# Altium PCB EPS.PcbDoc (part 1 of 10) (continued)
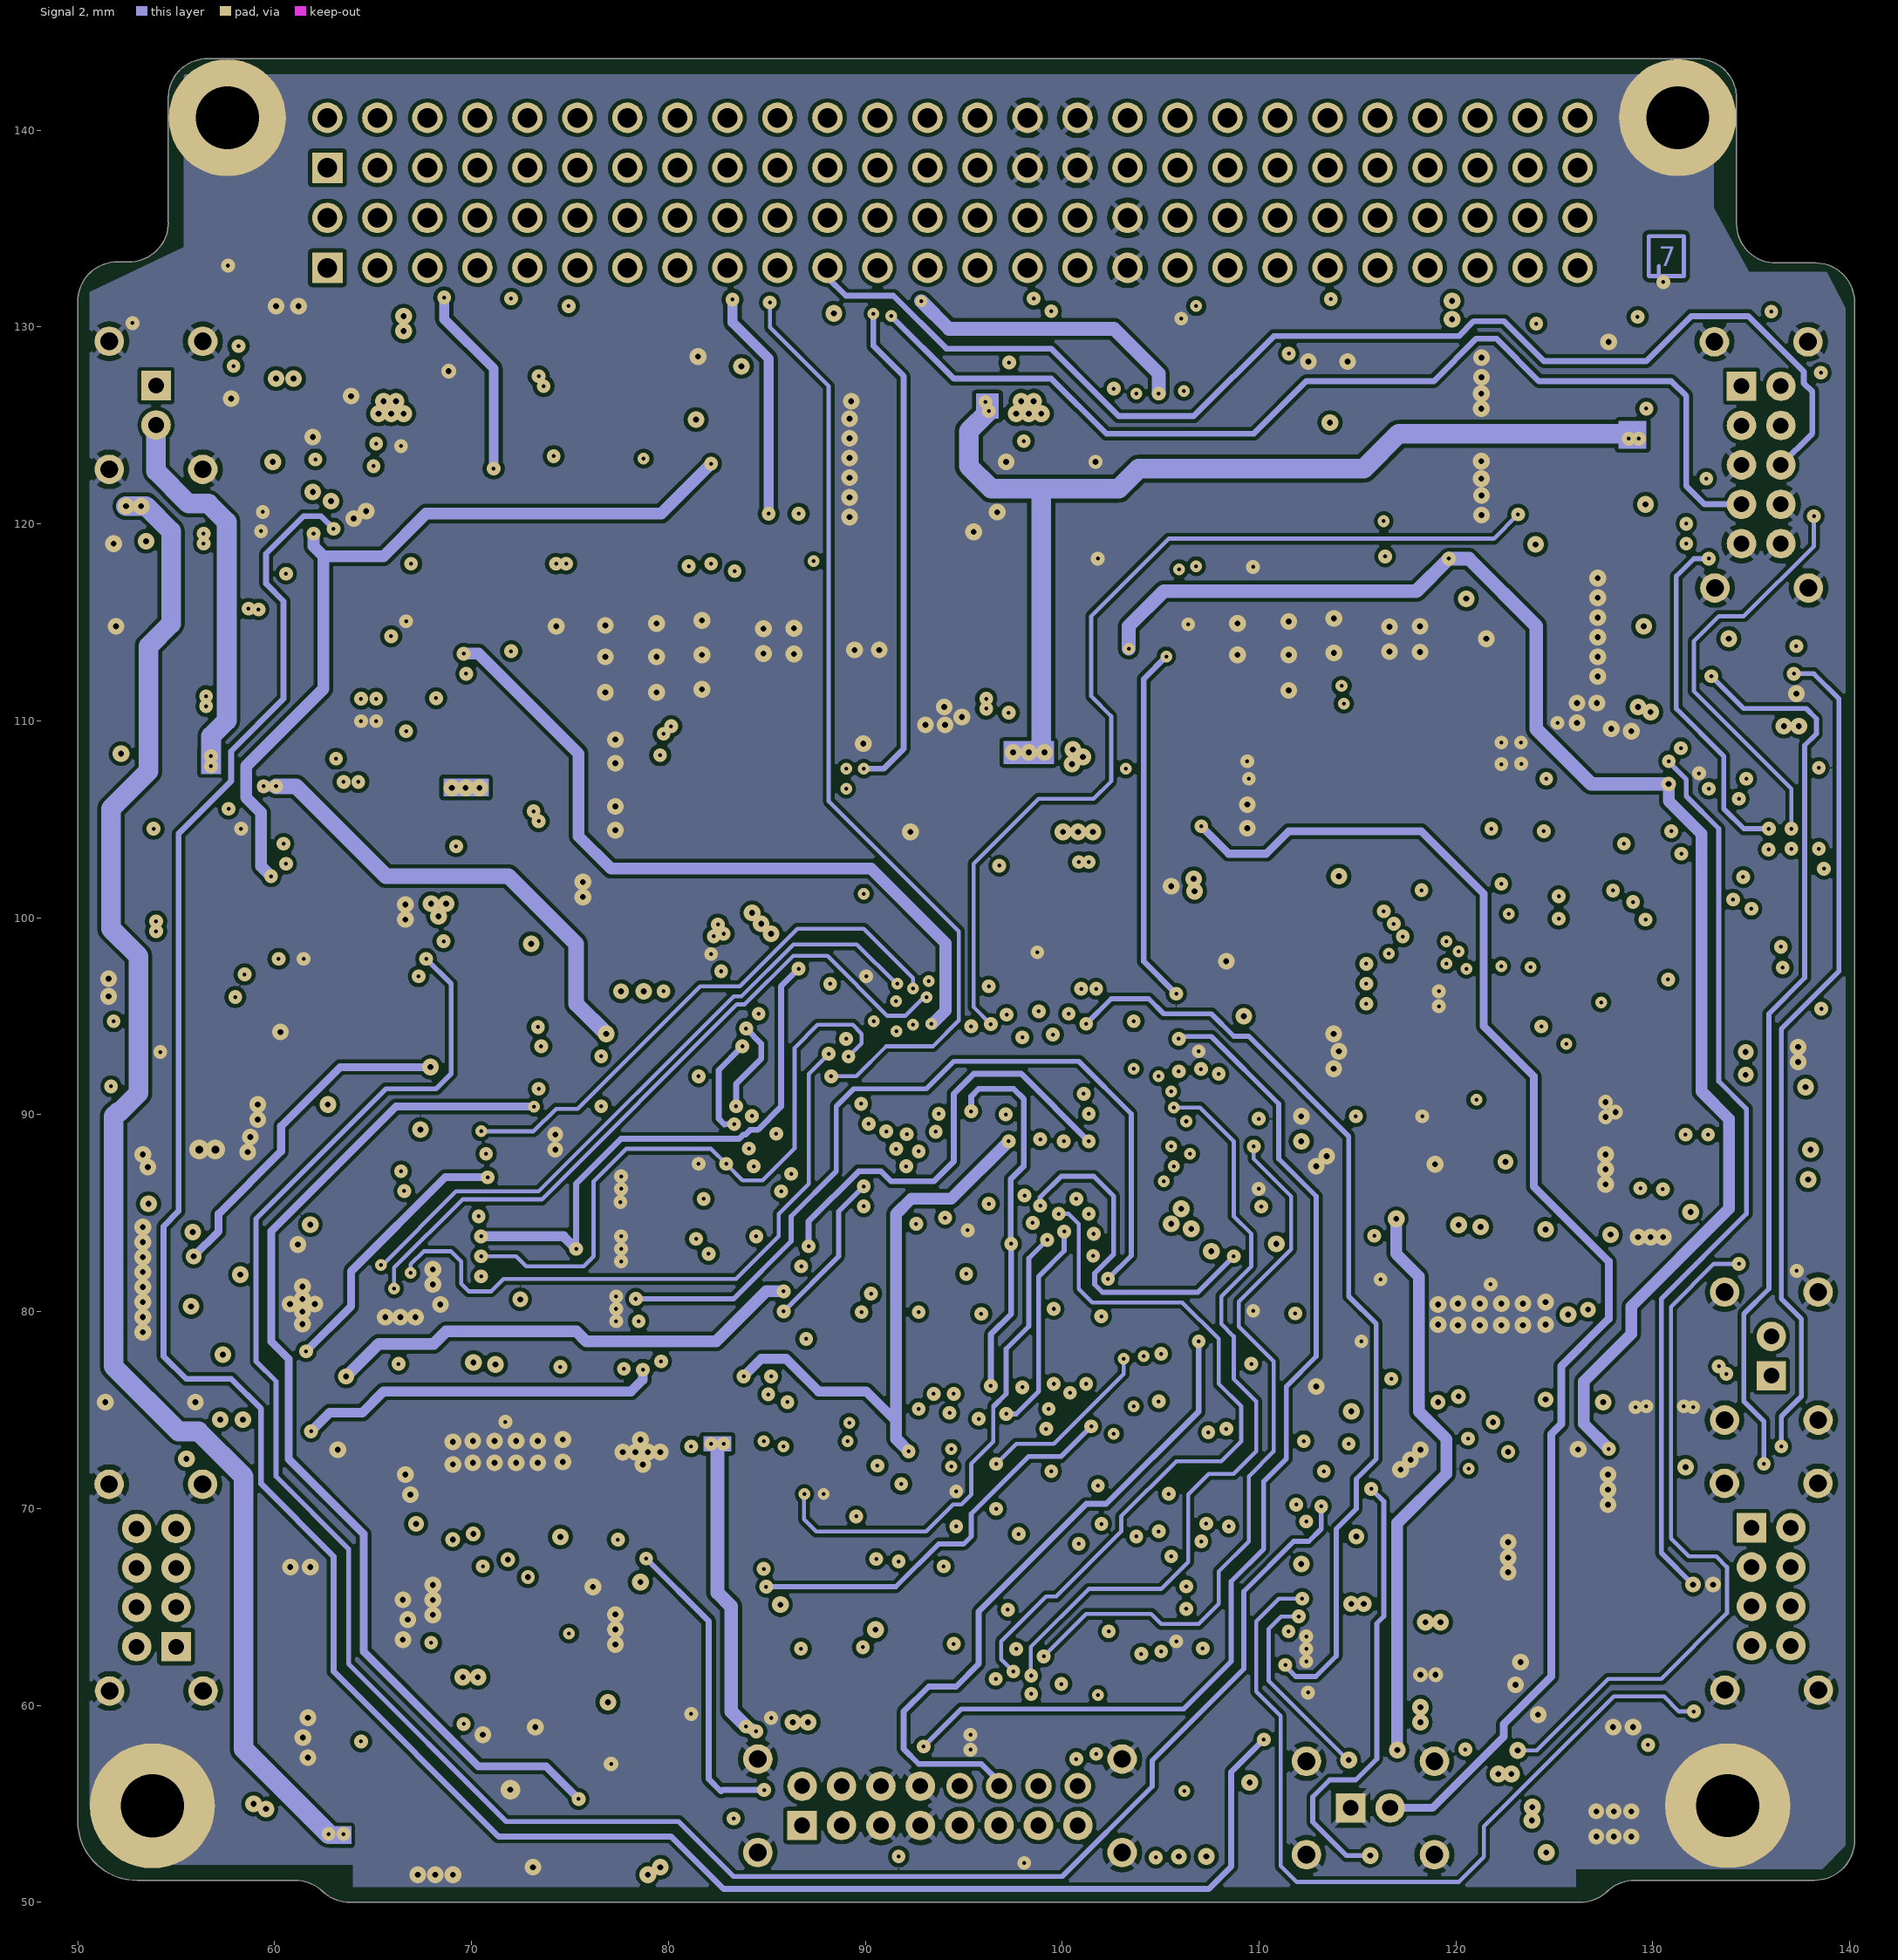
[diagram p7: Signal 2]
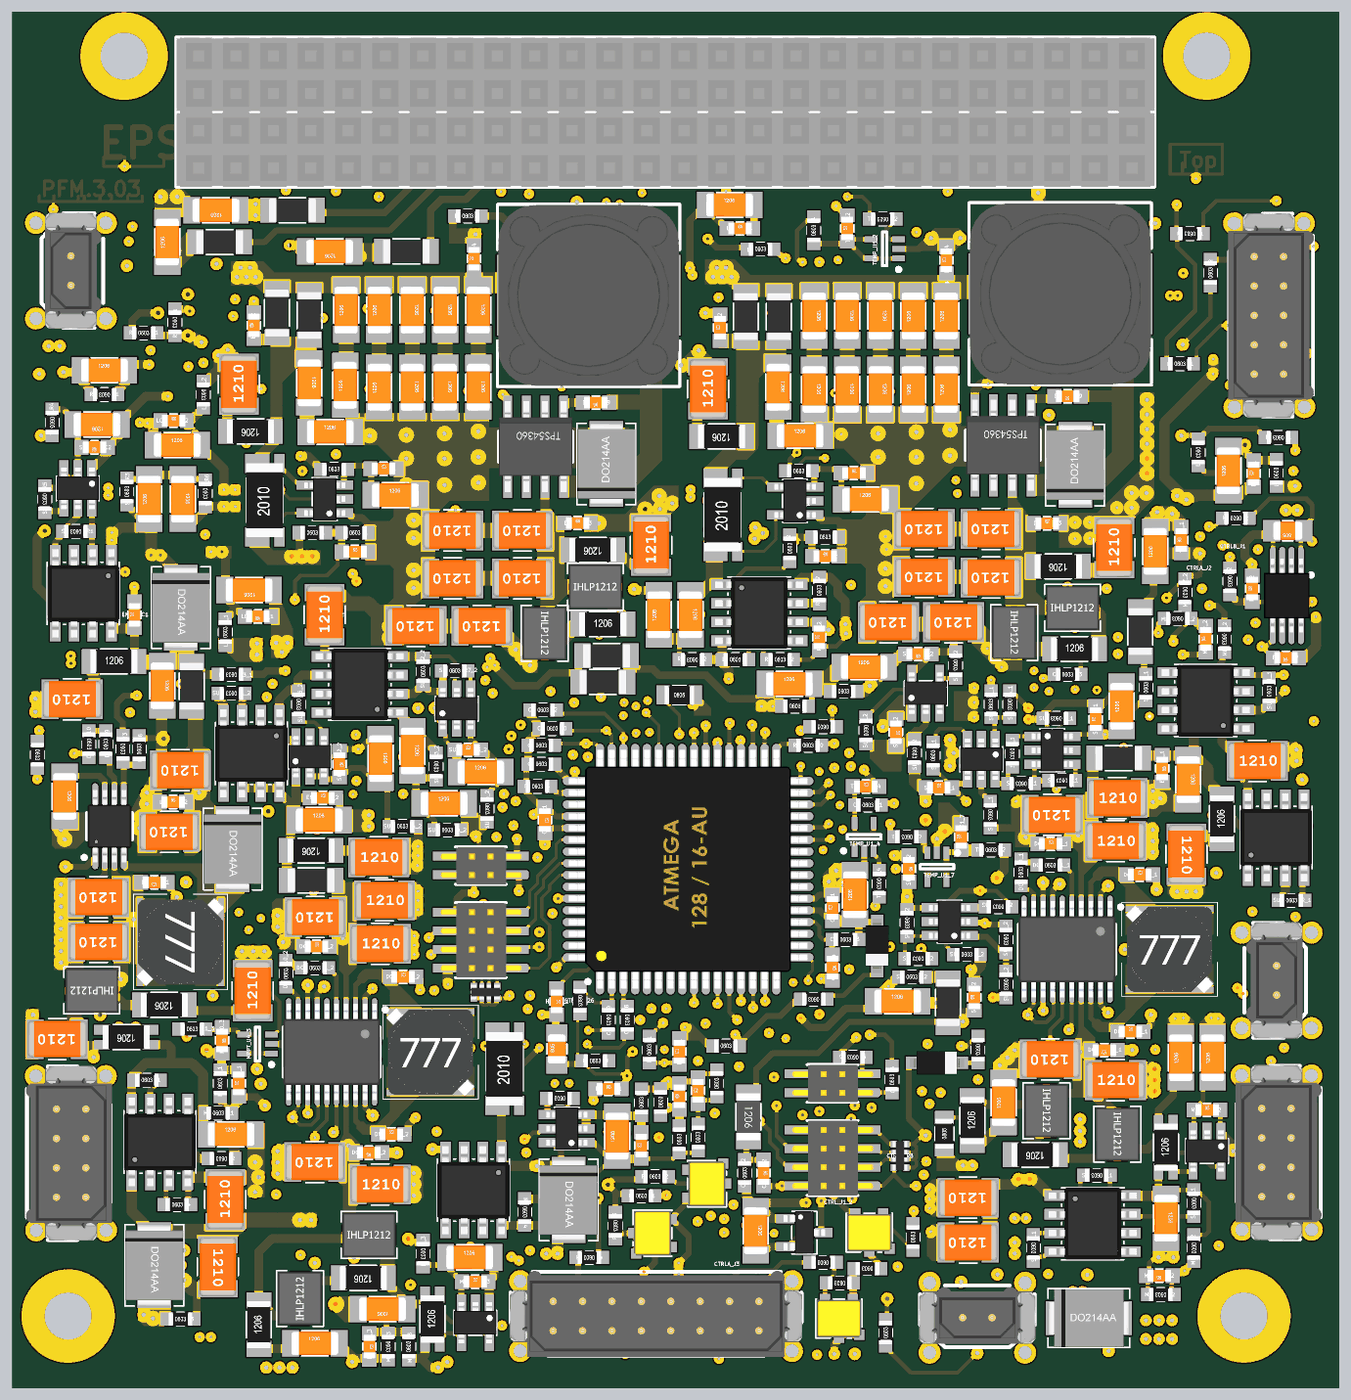
[diagram p17: 3D render of the assembled board from above, using the file's embedded part models]
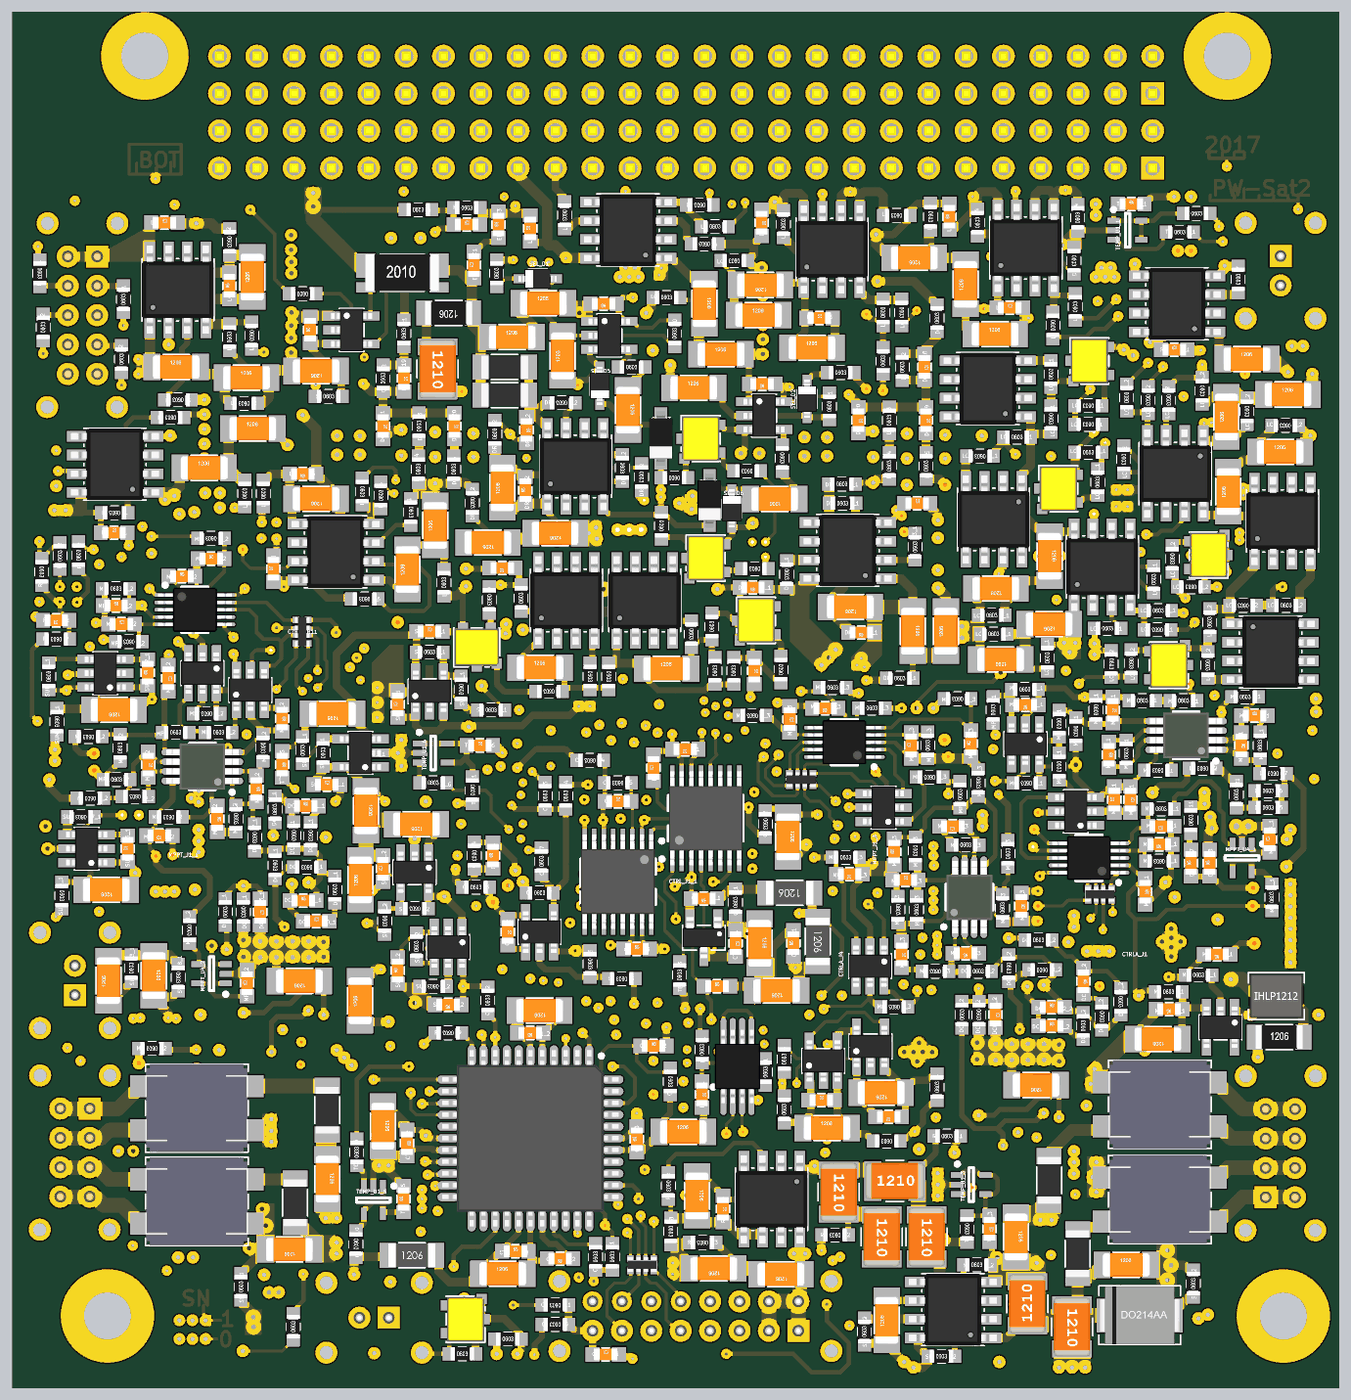
[diagram p18: 3D render of the assembled board from below, using the file's embedded part models]

## Layer stack, top to bottom
Top Layer: signal copper 0.018
Dielectric 1: core 0.254, FR-4, Dk 4.2
PGND: signal copper 0.035
Dielectric 2: prepreg 0.197, FR-4, Dk 4.2
Power: signal copper 0.035
Dielectric 6: core 0.178, Dk 4.2
Control Signals 1: signal copper 0.036
Dielectric 7: prepreg 0.197, Dk 4.2
Control Signals 2: signal copper 0.036
Dielectric 4: core 0.178, Dk 4.2
Signal 1: signal copper 0.036
Dielectric 5: prepreg 0.197, Dk 4.2
Signal 2: signal copper 0.036
Dielectric 3: core 0.186, FR-4, Dk 4.2
Bottom Layer: signal copper 0.018

## Board outline
53.018,51.11 cw(c53.018,54.128) 50,54.128 50,131.31 cw(c52,131.31) 52,133.31 52.6,133.31 ccw(c52.6,135.31) 54.6,135.311 54.595,135.311 54.594,141.542 54.594,141.635 cw(c56.594,141.636) 56.594,143.636 132.249,143.636 132.249,143.631 cw(c132.249,141.631) 134.249,141.631 134.249,141.567 134.249,135.255 ccw(c136.249,135.255) 136.249,133.255 138.249,133.255 cw(c138.249,131.255) 140.249,131.255 140.249,53.157 cw(c138.209,53.157) 138.209,51.117 138.037,51.113 129.072,51.114 ccw(c129.071,49.114) 127.686,50.556 cw(c126.3,51.998) 126.3,49.998 63.815,50 cw(c63.815,52) 62.432,50.555 ccw(c61.05,49.11) 61.05,51.11

## Design rules (kind name [scope] priority, off if disabled: settings)
Clearance [All] p1: gap=0.2 ignorepadtopadclearanceinfootprint=TRUE except(0: Arc-Text Arc-Hole Track-Text Track-Hole SMDPad-Text SMDPad-Hole THPad-Text THPad-Hole Via-Text Via-Hole Fill-Text Fill-Hole Poly-Text Poly-Hole Region-Text Region-Hole Text-Text Text-Hole)
ComponentClearance [All] p1: gap=0.01 collisioncheckmode=3 verticalgap=0.254 showdistances=FALSE
HoleSize [All] p1: absolutevalues=TRUE maxlimit=3.5 minlimit=0.199 maxpercent=80.000 minpercent=20.000
MinimumAnnularRing [All] p1: minimumring=0.199
MinimumSolderMaskSliver [All] p1 off: minsoldermaskwidth=0.254
PasteMaskExpansion [All] p1 off: expansion=0
PolygonConnect PolygonConnect_PGND [IsVia AND InNet('PGND')] p1: connectstyle=Direct reliefconductorwidth=0.254 reliefentries=4 polygonreliefangle="90 Angle" airgapwidth=0.254
PolygonConnect PolygonConnect_AGND [IsVia AND InNet('AGND')] p2: connectstyle=Direct reliefconductorwidth=0.254 reliefentries=4 polygonreliefangle="90 Angle" airgapwidth=0.254
PolygonConnect PolygonConnect_DGND [IsVia AND InNet('DGND')] p3: connectstyle=Direct reliefconductorwidth=0.254 reliefentries=4 polygonreliefangle="90 Angle" airgapwidth=0.254
PolygonConnect PolygonConnect_MNT [InComponent('MNT1') OR InComponent('MNT2') OR InComponent('MNT3') OR InComponent('MNT4')] p4: connectstyle=Direct reliefconductorwidth=0.254 reliefentries=4 polygonreliefangle="90 Angle" airgapwidth=0.254
PolygonConnect [All] p5: connectstyle=Relief reliefconductorwidth=0.254 reliefentries=4 polygonreliefangle="45 Angle" airgapwidth=0.254
RoomDefinition "MPPT Y-2_MPPTY Solar Panels ORing2" [InComponentClass('MPPT Y-2_MPPTY Solar Panels ORing2')] p1: confinementstyle=ConfineIn formatcopy=TRUE lockcomponents=FALSE outline 58.471,50.394 94.818,50.394 94.818,62.382 58.471,62.382
RoomDefinition "MPPT Y-2_MPPTY Interface to uC3" [InComponentClass('MPPT Y-2_MPPTY Interface to uC3')] p2: confinementstyle=ConfineIn formatcopy=TRUE lockcomponents=FALSE outline 67.335,69.418 103.604,69.418 103.604,104.356 67.335,104.356
RoomDefinition "MPPT Y+1_MPPTY Measurements2" [InComponentClass('MPPT Y+1_MPPTY Measurements2')] p3: confinementstyle=ConfineIn formatcopy=TRUE lockcomponents=FALSE outline 120.218,56.794 137.998,56.794 137.998,76.632 120.218,76.632
RoomDefinition "MPPT Y+1_MPPTY Interface to uC2" [InComponentClass('MPPT Y+1_MPPTY Interface to uC2')] p4: confinementstyle=ConfineIn formatcopy=TRUE lockcomponents=FALSE outline 109.906,73.965 139.852,73.965 139.852,110.312 109.906,110.312
RoomDefinition "MPPT Y-2_MPPTY Output EMI Filter2" [InComponentClass('MPPT Y-2_MPPTY Output EMI Filter2')] p5: confinementstyle=ConfineIn formatcopy=TRUE lockcomponents=FALSE outline 58.471,71.272 83.033,71.272 83.033,93.574 58.471,93.574
RoomDefinition "MPPT Y-2_MPPTY ORing to MPB2" [InComponentClass('MPPT Y-2_MPPTY ORing to MPB2')] p6: confinementstyle=ConfineIn formatcopy=TRUE lockcomponents=FALSE outline 61.138,85.115 89.23,85.115 89.23,110.719 61.138,110.719
RoomDefinition "MPPT Y-2_MPPTY Measurements3" [InComponentClass('MPPT Y-2_MPPTY Measurements3')] p7: confinementstyle=ConfineIn formatcopy=TRUE lockcomponents=FALSE outline 63.83,50.394 88.621,50.394 88.621,63.424 63.83,63.424
RoomDefinition "MPPT Y-2_MPPTY Input EMI Filter2" [InComponentClass('MPPT Y-2_MPPTY Input EMI Filter2')] p8: confinementstyle=ConfineIn formatcopy=TRUE lockcomponents=FALSE outline 57.633,50.622 85.928,50.622 85.928,64.872 57.633,64.872
RoomDefinition "MPPT Y-2_MPPTY Buck-Boost Converter2" [InComponentClass('MPPT Y-2_MPPTY Buck-Boost Converter2')] p9: confinementstyle=ConfineIn formatcopy=TRUE lockcomponents=FALSE outline 62.382,60.325 90.475,60.325 90.475,95.225 62.382,95.225
RoomDefinition "MPPT Y+1_MPPTY Solar Panels ORing1" [InComponentClass('MPPT Y+1_MPPTY Solar Panels ORing1')] p10: confinementstyle=ConfineIn formatcopy=TRUE lockcomponents=FALSE outline 112.37,51.638 133.248,51.638 133.248,72.517 112.37,72.517
RoomDefinition "MPPT Y+1_MPPTY Output EMI Filter1" [InComponentClass('MPPT Y+1_MPPTY Output EMI Filter1')] p11: confinementstyle=ConfineIn formatcopy=TRUE lockcomponents=FALSE outline 129.108,72.923 139.217,72.923 139.217,98.527 129.108,98.527
RoomDefinition "MPPT Y+1_MPPTY ORing to MPB1" [InComponentClass('MPPT Y+1_MPPTY ORing to MPB1')] p12: confinementstyle=ConfineIn formatcopy=TRUE lockcomponents=FALSE outline 121.463,77.47 139.446,77.47 139.446,102.464 121.463,102.464
RoomDefinition "MPPT Y+1_MPPTY Buck-Boost Converter1" [InComponentClass('MPPT Y+1_MPPTY Buck-Boost Converter1')] p13: confinementstyle=ConfineIn formatcopy=TRUE lockcomponents=FALSE outline 110.807,65.558 133.209,65.558 133.209,92.672 110.807,92.672
RoomDefinition CTRL-B_Supply [InComponentClass('CTRL-B_Supply')] p14: confinementstyle=ConfineIn formatcopy=TRUE lockcomponents=FALSE outline 94.59,55.829 121.082,55.829 121.082,77.394 94.59,77.394
RoomDefinition 5V [InComponentClass('5V')] p15: confinementstyle=ConfineIn formatcopy=TRUE lockcomponents=FALSE outline 89.002,94.209 138.938,94.209 138.938,132.969 89.002,132.969
RoomDefinition 3V3 [InComponentClass('3V3')] p16: confinementstyle=ConfineIn formatcopy=TRUE lockcomponents=FALSE outline 56.718,95.58 98.222,95.58 98.222,131.293 56.718,131.293
RoomDefinition Temperature-Sensor1 [InComponentClass('Temperature-Sensor1')] p17: confinementstyle=ConfineIn formatcopy=TRUE lockcomponents=FALSE outline 57.785,126.238 57.785,130.556 66.675,130.556 66.675,126.238
RoomDefinition Temperature-Sensor5 [InComponentClass('Temperature-Sensor5')] p18: confinementstyle=ConfineIn formatcopy=TRUE lockcomponents=FALSE outline 113.157,57.531 117.602,57.531 117.602,67.818 113.157,67.818
RoomDefinition "Local-Supply CTRL-A" [InComponentClass('Local-Supply CTRL-A')] p19: confinementstyle=ConfineIn formatcopy=TRUE lockcomponents=FALSE outline 133.731,86.614 106.807,86.614 106.807,108.458 133.731,108.458
RoomDefinition "RLCL-FPF 3V3" [InComponentClass('RLCL-FPF 3V3')] p20: confinementstyle=ConfineIn formatcopy=TRUE lockcomponents=FALSE outline 53.213,116.84 64.643,116.84 64.643,127 53.213,127
RoomDefinition "RLCL-FPF 5V" [InComponentClass('RLCL-FPF 5V')] p21: confinementstyle=ConfineIn formatcopy=TRUE lockcomponents=FALSE outline 107.188,105.791 107.188,98.679 92.71,98.679 92.71,105.791
RoomDefinition "Controller B" [InComponentClass('Controller B')] p22: confinementstyle=ConfineIn formatcopy=TRUE lockcomponents=FALSE outline 116.662,76.81 92.735,76.81 92.735,56.921 116.662,56.921
RoomDefinition Temperature-Sensor3 [InComponentClass('Temperature-Sensor3')] p23: confinementstyle=ConfineIn formatcopy=TRUE lockcomponents=FALSE outline 71.59,60.795 77.051,60.795 77.051,65.748 71.59,65.748
RoomDefinition "Battery Discharger - Ideal Diode" [InComponentClass('Battery Discharger - Ideal Diode')] p24: confinementstyle=ConfineIn formatcopy=TRUE lockcomponents=FALSE outline 78.321,70.574 78.321,59.182 95.212,59.182 95.212,70.574
RoomDefinition "Battery Charger - RLCL" [InComponentClass('Battery Charger - RLCL')] p25: confinementstyle=ConfineIn formatcopy=TRUE lockcomponents=FALSE outline 74.638,56.858 98.895,56.858 98.895,66.891 74.638,66.891
RoomDefinition "MPPTX Interface to uC" [InComponentClass('MPPTX Interface to uC')] p26: confinementstyle=ConfineIn formatcopy=TRUE lockcomponents=FALSE outline 51.524,98.387 74.511,98.387 74.511,79.718 51.524,79.718
RoomDefinition "MPPTX Input EMI Filter" [InComponentClass('MPPTX Input EMI Filter')] p27: confinementstyle=ConfineIn formatcopy=TRUE lockcomponents=FALSE outline 50.508,71.844 68.161,71.844 68.161,79.718 50.508,79.718
RoomDefinition "LCL-FPF ANTs 5V1" [InComponentClass('LCL-FPF ANTs 5V1')] p28: confinementstyle=ConfineIn formatcopy=TRUE lockcomponents=FALSE outline 136.995,108.674 121.374,108.674 121.374,116.548 136.995,116.548
RoomDefinition "LCL-FPF ANTs 5V2" [InComponentClass('LCL-FPF ANTs 5V2')] p29: confinementstyle=ConfineIn formatcopy=TRUE lockcomponents=FALSE outline 121.8,115.9 133.3,115.9 133.3,130.2 121.8,130.2
RoomDefinition Temperature-Sensor4 [InComponentClass('Temperature-Sensor4')] p30: confinementstyle=ConfineIn formatcopy=TRUE lockcomponents=FALSE outline 106.045,82.804 109.728,82.804 109.728,90.805 106.045,90.805
RoomDefinition Temperature-Sensor2 [InComponentClass('Temperature-Sensor2')] p31: confinementstyle=ConfineIn formatcopy=TRUE lockcomponents=FALSE outline 111.227,126.365 111.227,130.759 105.537,130.759 105.537,126.365
RoomDefinition "LCL-TK MAIN" [InComponentClass('LCL-TK MAIN')] p32: confinementstyle=ConfineIn formatcopy=TRUE lockcomponents=FALSE outline 62,98.4 77.8,98.4 77.8,121 62,121
RoomDefinition "LCL-FPF SunS 3V3" [InComponentClass('LCL-FPF SunS 3V3')] p33: confinementstyle=ConfineIn formatcopy=TRUE lockcomponents=FALSE outline 110.3,116.1 110.3,102.6 123.3,102.6 123.3,116.1
RoomDefinition CTRL-A_Supply [InComponentClass('CTRL-A_Supply')] p34: confinementstyle=ConfineIn formatcopy=TRUE lockcomponents=FALSE outline 83.693,76.581 109.601,76.581 109.601,90.805 83.693,90.805
RoomDefinition "RBL & Inrush Limit" [InComponentClass('RBL & Inrush Limit')] p35: confinementstyle=ConfineIn formatcopy=TRUE lockcomponents=FALSE outline 88.608,96.482 110.452,96.482 110.452,107.912 88.608,107.912
RoomDefinition "VBAT EMI Filter R" [InComponentClass('VBAT EMI Filter R')] p36: confinementstyle=ConfineIn formatcopy=TRUE lockcomponents=FALSE outline 96.8,110.8 112,110.8 112,124.6 96.8,124.6
RoomDefinition "VBAT RLCL" [InComponentClass('VBAT RLCL')] p37: confinementstyle=ConfineIn formatcopy=TRUE lockcomponents=FALSE outline 92.9,120.3 92.9,107.4 110.5,107.4 110.5,120.3
RoomDefinition "DCDC RLCL" [InComponentClass('DCDC RLCL')] p38: confinementstyle=ConfineIn formatcopy=TRUE lockcomponents=FALSE outline 90,111.3 75.5,111.3 75.5,99 90,99
RoomDefinition "5V Buck Converter" [InComponentClass('5V Buck Converter')] p39: confinementstyle=ConfineIn formatcopy=TRUE lockcomponents=FALSE outline 103.15,103.4 103.15,131.15 128.15,131.15 128.15,103.4
RoomDefinition "3V3 Buck Converter" [InComponentClass('3V3 Buck Converter')] p40: confinementstyle=ConfineIn formatcopy=TRUE lockcomponents=FALSE outline 71.2,103.1 71.2,131.1 95.95,131.1 95.95,103.1
RoomDefinition "3V3 Input EMI Fitler" [InComponentClass('3V3 Input EMI Fitler')] p41: confinementstyle=ConfineIn formatcopy=TRUE lockcomponents=FALSE outline 74.95,96.799 74.95,110.719 95.504,110.719 95.504,96.799
RoomDefinition "3V3 Output EMI Fitler" [InComponentClass('3V3 Output EMI Fitler')] p42: confinementstyle=ConfineIn formatcopy=TRUE lockcomponents=FALSE outline 63.373,109.95 63.373,126.213 75.1,126.213 75.1,109.95
RoomDefinition "5V Input EMI Fitler" [InComponentClass('5V Input EMI Fitler')] p43: confinementstyle=ConfineIn formatcopy=TRUE lockcomponents=FALSE outline 107.15,97.15 107.15,106.9 123.9,106.9 123.9,97.15
RoomDefinition "5V Output EMI Fitler" [InComponentClass('5V Output EMI Fitler')] p44: confinementstyle=ConfineIn formatcopy=TRUE lockcomponents=FALSE outline 106.9,109.9 106.9,125.65 95.479,125.65 95.479,109.9
RoomDefinition "LCLs for DCDC" [InComponentClass('LCLs for DCDC')] p45: confinementstyle=ConfineIn formatcopy=TRUE lockcomponents=FALSE outline 81,122.2 96.2,122.2 96.2,110.7 81,110.7
RoomDefinition "Local-Supply CTRL-B" [InComponentClass('Local-Supply CTRL-B')] p46: confinementstyle=ConfineIn formatcopy=TRUE lockcomponents=FALSE outline 119.634,73.914 107.188,73.914 107.188,101.346 119.634,101.346
RoomDefinition "LCL-TK Redundant" [InComponentClass('LCL-TK Redundant')] p47: confinementstyle=ConfineIn formatcopy=TRUE lockcomponents=FALSE outline 68.05,119.7 51.1,119.7 51.1,97.3 68.05,97.3
RoomDefinition "Battery Current Meas." [InComponentClass('Battery Current Meas.')] p48: confinementstyle=ConfineIn formatcopy=TRUE lockcomponents=FALSE outline 76.797,66.51 88.354,66.51 88.354,76.073 76.797,76.073
RoomDefinition "VBAT Measurements" [InComponentClass('VBAT Measurements')] p49: confinementstyle=ConfineIn formatcopy=TRUE lockcomponents=FALSE outline 100,116.4 122.1,116.4 122.1,127.8 100,127.8
RoomDefinition "LCL-FPF SENS 5V" [InComponentClass('LCL-FPF SENS 5V')] p50: confinementstyle=ConfineIn formatcopy=TRUE lockcomponents=FALSE outline 90.9,131.7 105,131.7 105,118.3 90.9,118.3
RoomDefinition "LCL-FPF CAMwing 3V3" [InComponentClass('LCL-FPF CAMwing 3V3')] p51: confinementstyle=ConfineIn formatcopy=TRUE lockcomponents=FALSE outline 81.4,120.6 81.4,131.8 66.9,131.8 66.9,120.6
RoomDefinition "LCL-FPF CAMnadir 3V3" [InComponentClass('LCL-FPF CAMnadir 3V3')] p52: confinementstyle=ConfineIn formatcopy=TRUE lockcomponents=FALSE outline 93.4,119.4 93.4,131.7 77.8,131.7 77.8,119.4
RoomDefinition "MPPT Y+1_MPPTY Input EMI Filter1" [InComponentClass('MPPT Y+1_MPPTY Input EMI Filter1')] p53: confinementstyle=ConfineIn formatcopy=TRUE lockcomponents=FALSE outline 67.399,62.192 67.399,84.809 82.385,84.809 82.385,62.192
RoomDefinition "MPPTX Solar Panels ORing" [InComponentClass('MPPTX Solar Panels ORing')] p54: confinementstyle=ConfineIn formatcopy=TRUE lockcomponents=FALSE outline 56.439,53.81 68.123,53.81 68.123,72.009 56.439,72.009
RoomDefinition "MPPTX Output EMI Filter" [InComponentClass('MPPTX Output EMI Filter')] p55: confinementstyle=ConfineIn formatcopy=TRUE lockcomponents=FALSE outline 51.778,95.212 63.843,95.212 63.843,104.419 51.778,104.419
RoomDefinition "MPPTX ORing to MPB" [InComponentClass('MPPTX ORing to MPB')] p56: confinementstyle=ConfineIn formatcopy=TRUE lockcomponents=FALSE outline 51.397,99.441 64.135,99.441 64.135,116.802 51.397,116.802
RoomDefinition "MPPTX Measurements" [InComponentClass('MPPTX Measurements')] p57: confinementstyle=ConfineIn formatcopy=TRUE lockcomponents=FALSE outline 67.272,76.924 55.207,76.924 55.207,67.78 67.272,67.78
RoomDefinition "MPPTX Boost Converter" [InComponentClass('MPPTX Boost Converter')] p58: confinementstyle=ConfineIn formatcopy=TRUE lockcomponents=FALSE outline 67.272,76.797 67.272,95.428 52.286,95.428 52.286,76.797
RoomDefinition "Local-Supply and WDTs" [InComponentClass('Local-Supply and WDTs')] p59: confinementstyle=ConfineIn formatcopy=TRUE lockcomponents=FALSE outline 90.17,66.929 106.807,66.929 106.807,99.325 90.17,99.325
RoomDefinition "I2C Repeater2" [InComponentClass('I2C Repeater2')] p60: confinementstyle=ConfineIn formatcopy=TRUE lockcomponents=FALSE outline 130.429,97.282 139.446,97.282 139.446,111.887 130.429,111.887
RoomDefinition "I2C Repeater1" [InComponentClass('I2C Repeater1')] p61: confinementstyle=ConfineIn formatcopy=TRUE lockcomponents=FALSE outline 85.725,63.119 96.774,63.119 96.774,72.263 85.725,72.263
RoomDefinition "Heaters Control" [InComponentClass('Heaters Control')] p62: confinementstyle=ConfineIn formatcopy=TRUE lockcomponents=FALSE outline 101.816,51.905 117.932,51.905 117.932,61.874 101.816,61.874
RoomDefinition "Controller A" [InComponentClass('Controller A')] p63: confinementstyle=ConfineIn formatcopy=TRUE lockcomponents=FALSE outline 78.359,70.739 108.839,70.739 108.839,101.219 78.359,101.219
RoomDefinition "Battery Voltage Meas." [InComponentClass('Battery Voltage Meas.')] p64: confinementstyle=ConfineIn formatcopy=TRUE lockcomponents=FALSE outline 93.815,67.145 100.292,67.145 100.292,72.352 93.815,72.352
RoomDefinition "5V Measurements" [InComponentClass('5V Measurements')] p65: confinementstyle=ConfineIn formatcopy=TRUE lockcomponents=FALSE outline 95.504,105.054 110.75,105.054 110.75,114.351 95.504,114.351
RoomDefinition "3V3 Measurements" [InComponentClass('3V3 Measurements')] p66: confinementstyle=ConfineIn formatcopy=TRUE lockcomponents=FALSE outline 65,105.6 78.75,105.6 78.75,114.05 65,114.05
RoutingVias [All] p1: holewidth=0.711 width=1.27 viastyle="Through Hole" minholewidth=0.711 minwidth=1.27 maxholewidth=0.711 maxwidth=1.27